# Altium PCB top_LM_v2.PcbDoc (part 3 of 5) (continued)
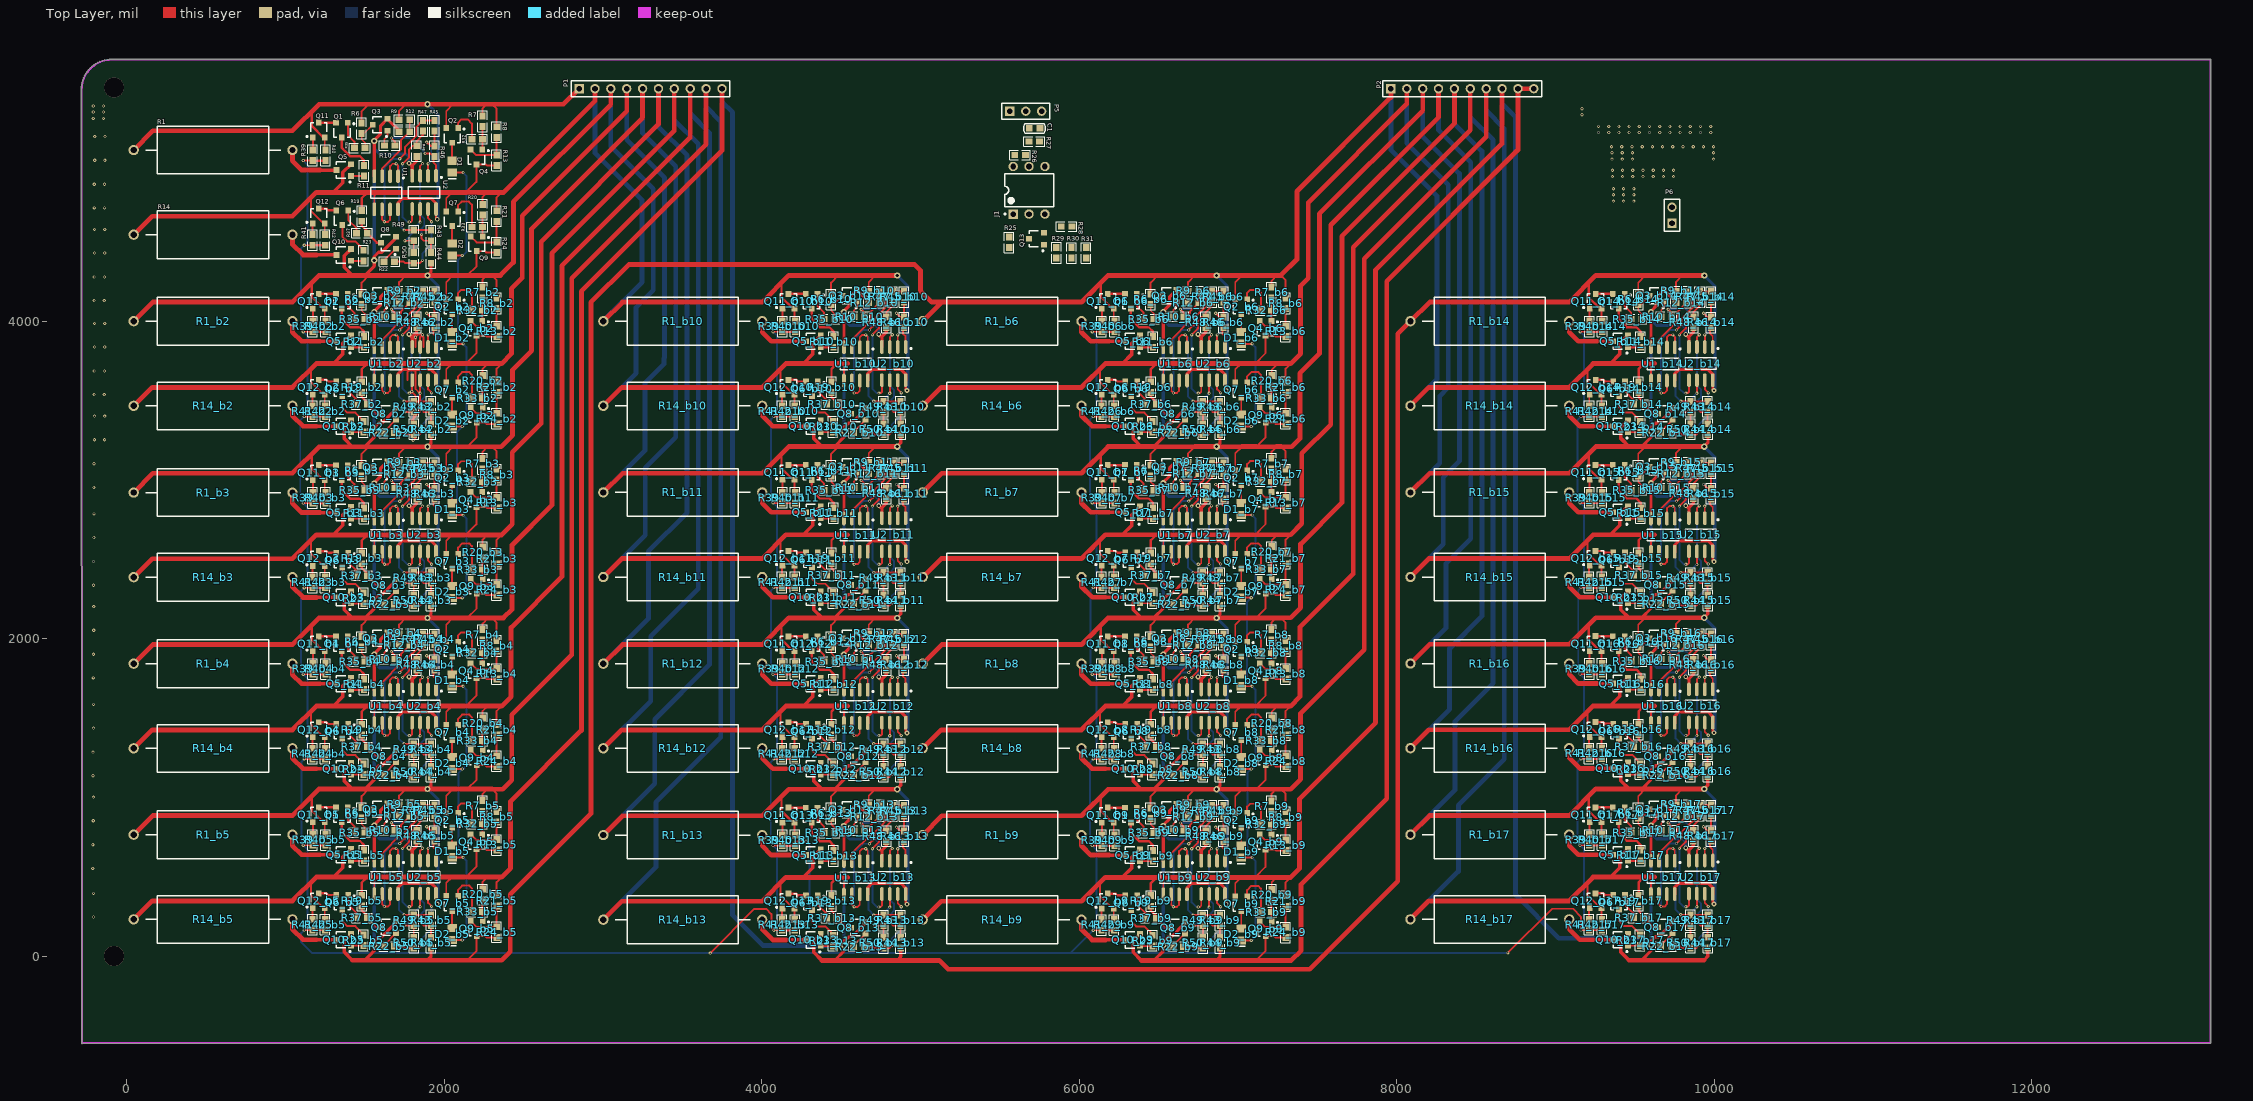
[diagram p0: Top Layer view]
## Nets (pads, with @x,y where several pads share a name; then routed paths per layer and width w, separated by ;. In a path a pad name is that pad's centre, name@x,y a point inside that pad or via, vN(x,y) a via of type N, cw(c..) or ccw(c..) an arc to the next point about the centre after c; other vN are vias at no path point) (continued)
  Top Layer w15: 6136.25,2079.79 6136.25,1993.82 Q11_b8.2@6208.07,1922 ; U2_b8.8@6918.25,1471.05 6918.25,1414.26 v3(6926.25,1406.26) ; R19_b16.2@9522.61,1462 9522.61,1541.54 9557.61,1576.54 9561.61,1576.54
  Top Layer w20: Q11_b8.2@6208.07,1922 Q11_b8.2@6217.65,1922 ; 6473.12,2134.07 6529.25,2190.2 v2(6529.25,2226.26) 6529.25,2251.26 6556.25,2278.26 6577.69,2278.26 6665.51,2366.08 Q8_b7.2@6665.51,2375.66 ; U1_b7.4@6529.25,2756.75 v2(6529.25,2978.26) 6529.25,2984.26 6569.25,3024.26 6569.25,3075.4 Q3_b7.2@6612.51,3118.66 6612.51,3115.91 6685.79,3042.64 R12_b7.1@6685.79,3037.26 ; U1_b8.8@6679.25,1468.77 6679.25,1511.26 6705.25,1537.26 6889.25,1537.26 6918.25,1508.26 U2_b8.8@6918.25,1471.05 ; v3(6748.25,2838.26) 6762.25,2824.26 6768.25,2824.26 ; U2_b7.4@6768.25,2759.02 6768.25,2824.26 ; R48_b7.2@6796.25,2881.8 6796.25,2852.26 6768.25,2824.26 ; v2@6863.25,2131.46 6887.25,2155.46 R44_b7.2@6887.25,2208.8
  Top Layer w22: Q10_b7.2@6383.38,2297.94 6340.12,2254.68 6340.12,2182.54 6391.19,2131.46 ; 9343.61,1576.54 9403.61,1636.54 9403.61,1703.68 Q5_b16.2@9454.87,1754.94
  Top Layer w30: R1_b8.2@5014.25,1842.26 5135.28,1963.28 6014.25,1963.28 6181.5,2130.54 6493.87,2130.54 6727.25,2130.54 v2(6865.12,2130.54) ; v2@6863.25,2131.46 7114.5,2131.46 ; 7025.25,2130.54 7239.07,2130.54 ; 7240,2130.54 7270.5,2130.54 ; 7240,2131.46 7331,2131.46 7394,2194.46 7394,2596 7654.34,2856.34 7654.34,4534.66 8363,5243.31 P2.5@8363,5464 ; R14_b16.2@8085.75,1310.26 8202.02,1426.54 9085.75,1426.54 9235.75,1576.54 9343.61,1576.54 9557.61,1576.54 ; 9561.61,1576.54 9622.75,1576.54
  Bottom Layer w20: v2(6529.25,2226.26) 6529.25,2931.26 ; v2(6529.25,2978.26) 6529.25,2931.26 ; v3(6748.25,2838.26) 6748.25,2877.26 6729.25,2896.26 6564.25,2896.26 6529.25,2931.26 ; v2(6865.12,2130.54) 6931.25,2064.4 6931.25,1411.26 v3(6926.25,1406.26)
  Bottom Layer w30: R14_b16.2@8085.75,1310.26 8332,1556.51 8332,1938.13 8535.87,2142 8535.87,5070.87 8363,5243.74 P2.5@8363,5464
IN_A8: P2.7 Q2_b9.2 Q3_b8.2 Q5_b17.2 Q8_b8.2 Q9_b8.3 Q10_b8.2 Q11_b9.2 Q12_b17.2 R1_b9.2 R6_b9.2 R7_b9.2 R8_b9.2 R9_b9.2 R12_b8.1 R14_b17.2 R19_b17.2 R24_b8.1 R25.1 R40_b9.1 R42_b17.1 R44_b8.2 R48_b8.2 U1_b8.4 U1_b9.8 U1_b17.5 U2_b8.4 U2_b9.8 | length 20125.9
  Top Layer w12: Q11_b9.2@6217.65,843 6217.65,768.32 R40_b9.1@6222.25,763.72 ; R6_b9.2@6449.12,934.46 6449.12,1006.79 6493.87,1051.54 ; R9_b9.2@6685.79,954.26 6685.79,1010.07 6727.25,1051.54 ; Q2_b9.2@6982.72,901.8 6982.72,1009 7025.25,1051.54 ; 7114.5,1052.46 7174.12,1112.08 Q9_b8.3@7174.12,1205.28 7226.86,1205.28 7236.06,1196.07 R24_b8.1@7300.12,1196.07 ; R7_b9.2@7211.25,978.46 7211.25,1023.72 7239.07,1051.54 7240,1052.46 ; 7270.5,1051.54 7300.12,1021.92 R8_b9.2@7300.12,910 R8_b9.2@7299.65,909.54 ; 9201.75,463.04 9201.75,383.26 9281.01,304 Q12_b17.2@9289.15,304 9289.15,235.32 R42_b17.1@9291.75,232.72 ; U1_b17.5@9600.75,391.77 9600.75,476.54 9622.75,498.54
  Top Layer w15: 6136.25,1000.79 6136.25,914.82 Q11_b9.2@6208.07,843 ; U2_b9.8@6918.25,392.05 6918.25,335.26 v3(6926.25,327.26) ; R19_b17.2@9522.61,384 9522.61,463.54 9557.61,498.54 9561.61,498.54
  Top Layer w20: Q11_b9.2@6208.07,843 Q11_b9.2@6217.65,843 ; 6473.12,1055.07 6529.25,1111.2 v2(6529.25,1147.26) 6529.25,1172.26 6556.25,1199.26 6577.69,1199.26 6665.51,1287.08 Q8_b8.2@6665.51,1296.66 ; U1_b8.4@6529.25,1677.75 v2(6529.25,1899.26) 6529.25,1905.26 6569.25,1945.26 6569.25,1996.4 Q3_b8.2@6612.51,2039.66 6612.51,2036.91 6685.79,1963.64 R12_b8.1@6685.79,1958.26 ; U1_b9.8@6679.25,389.77 6679.25,432.26 6705.25,458.26 6889.25,458.26 6918.25,429.26 U2_b9.8@6918.25,392.05 ; v3(6748.25,1759.26) 6762.25,1745.26 6768.25,1745.26 ; U2_b8.4@6768.25,1680.02 6768.25,1745.26 ; R48_b8.2@6796.25,1802.8 6796.25,1773.26 6768.25,1745.26 ; v2@6863.25,1052.46 6887.25,1076.46 R44_b8.2@6887.25,1129.8
  Top Layer w22: Q10_b8.2@6383.38,1218.94 6340.12,1175.68 6340.12,1103.54 6391.19,1052.46 ; 9343.61,498.54 9403.61,558.54 9403.61,625.68 Q5_b17.2@9454.87,676.94
  Top Layer w30: R1_b9.2@5014.25,763.26 5135.28,884.28 6014.25,884.28 6181.5,1051.54 6493.87,1051.54 6727.25,1051.54 v2(6865.12,1051.54) ; v2@6863.25,1052.46 7114.5,1052.46 ; 7025.25,1051.54 7239.07,1051.54 ; 7240,1051.54 7270.5,1051.54 ; 7240,1052.46 7331,1052.46 7394,1115.46 7394,1530 7795.76,1931.76 7795.76,4393.24 8563,5160.47 P2.7@8563,5464 ; R14_b17.2@8085.75,232.26 8202.02,348.54 9085.75,348.54 9235.75,498.54 9343.61,498.54 9557.61,498.54 ; 9561.61,498.54 9622.75,498.54
  Bottom Layer w20: v2(6529.25,1147.26) 6529.25,1852.26 ; v2(6529.25,1899.26) 6529.25,1852.26 ; v3(6748.25,1759.26) 6748.25,1798.26 6729.25,1817.26 6564.25,1817.26 6529.25,1852.26 ; v2(6865.12,1051.54) 6931.25,985.4 6931.25,332.26 v3(6926.25,327.26)
  Bottom Layer w30: R14_b17.2@8085.75,232.26 8388,534.51 8388,951 8677.29,1240.29 8677.29,5212.29 8563,5326.58 P2.7@8563,5464
IN_A9: P1.2 Q4.3 Q5.2 Q7.2 Q11_b10.2 Q12.2 R1_b10.2 R6_b10.2 R9_b10.2 R13.1 R14.2 R19.2 R20.2 R21.2 R40_b10.1 R42.1 U1.5 U1_b10.8 U2_b10.8 | length 10088.9
  Top Layer w12: 1161,4775.04 1161,4695.26 1240.26,4616 Q12.2@1248.4,4616 1248.4,4547.32 R42.1@1251,4544.72 ; U1.5@1560,4703.77 1560,4788.54 1582,4810.54 ; Q7.2@2013.46,4690.8 2013.46,4774.13 2049.87,4810.54 ; 2137.87,4810.54 2203.87,4876.54 Q4.3@2203.87,4987.28 2262.13,4987.28 2269.33,4980.07 R13.1@2330.87,4980.07 ; R20.2@2243,4735.46 2243,4783.54 2270,4810.54 ; R21.2@2330.87,4695 2330.87,4779.54 2349.93,4798.6 ; Q11_b10.2@4206.4,4079 4206.4,4004.32 R40_b10.1@4211,3999.72 ; R6_b10.2@4437.87,4170.46 4437.87,4242.79 4482.61,4287.54 ; R9_b10.2@4674.54,4190.26 4674.54,4246.07 4716,4287.54
  Top Layer w15: R19.2@1481.87,4696 1481.87,4775.54 1516.87,4810.54 1520.87,4810.54 ; 4125,4236.79 4125,4150.82 Q11_b10.2@4196.82,4079 ; U2_b10.8@4907,3628.05 4907,3571.26 v3(4915,3563.26)
  Top Layer w20: Q11_b10.2@4196.82,4079 Q11_b10.2@4206.4,4079 ; U1_b10.8@4668,3625.77 4668,3668.26 4694,3694.26 4878,3694.26 4907,3665.26 U2_b10.8@4907,3628.05
  Top Layer w22: 1302.87,4810.54 1362.87,4870.54 1362.87,4937.68 Q5.2@1414.13,4988.94
  Top Layer w30: R14.2@45,4544.26 161.28,4660.54 1045,4660.54 1195,4810.54 1302.87,4810.54 1516.87,4810.54 ; 1520.87,4810.54 1582,4810.54 2049.87,4810.54 2137.87,4810.54 2270,4810.54 2374.54,4810.54 2950,5386 P1.2@2950,5464 ; R1_b10.2@3003,3999.26 3124.02,4120.28 4003,4120.28 4170.25,4287.54 4482.61,4287.54 4716,4287.54 v2(4853.87,4287.54)
  Bottom Layer w20: v2(4853.87,4287.54) 4920,4221.4 4920,3568.26 v3(4915,3563.26)
  Bottom Layer w30: P1.2@2950,5464 2950,5059.05 3247.03,4762.03 3247.03,4245.28 R1_b10.2@3003,4001.26
IN_A10: P1.4 Q3_b10.2 Q4_b2.3 Q5_b2.2 Q7_b2.2 Q8_b10.2 Q10_b10.2 Q11_b11.2 Q12_b2.2 R1_b11.2 R6_b11.2 R9_b11.2 R12_b10.1 R13_b2.1 R14_b2.2 R19_b2.2 R20_b2.2 R21_b2.2 R40_b11.1 R42_b2.1 R44_b10.2 R48_b10.2 U1_b2.5 U1_b10.4 U1_b11.8 U2_b10.4 U2_b11.8 | length 15170.9
  Top Layer w12: 1161,3697.04 1161,3617.26 1240.26,3538 Q12_b2.2@1248.4,3538 1248.4,3469.32 R42_b2.1@1251,3466.72 ; U1_b2.5@1560,3625.77 1560,3710.54 1582,3732.54 ; Q7_b2.2@2013.46,3612.8 2013.46,3696.13 2049.87,3732.54 ; 2137.87,3732.54 2203.87,3798.54 Q4_b2.3@2203.87,3909.28 2262.13,3909.28 2269.33,3902.07 R13_b2.1@2330.87,3902.07 ; R20_b2.2@2243,3657.46 2243,3699.54 2276,3732.54 ; R21_b2.2@2330.87,3617 2330.87,3701.54 2361.87,3732.54 ; Q11_b11.2@4206.4,3001 4206.4,2926.32 R40_b11.1@4211,2921.72 ; R6_b11.2@4437.87,3092.46 4437.87,3164.79 4482.54,3209.46 4482.61,3209.54 ; R9_b11.2@4674.54,3112.26 4674.54,3168.07 4715.93,3209.46 4716,3209.54
  Top Layer w15: R19_b2.2@1481.87,3618 1481.87,3697.54 1516.87,3732.54 1520.87,3732.54 ; 4125,3158.79 4125,3072.82 Q11_b11.2@4196.82,3001 ; U2_b11.8@4907,2550.05 4907,2493.26 v3(4915,2485.26)
  Top Layer w20: Q11_b11.2@4196.82,3001 Q11_b11.2@4206.4,3001 ; 4461.87,3212.07 4518,3268.2 v2(4518,3304.26) 4518,3329.26 4545,3356.26 4566.44,3356.26 4654.26,3444.08 Q8_b10.2@4654.26,3453.66 ; 4481.87,3208.54 4482.8,3209.46 ; U1_b10.4@4518,3834.75 v2(4518,4056.26) 4518,4062.26 4558,4102.26 4558,4153.4 Q3_b10.2@4601.26,4196.66 4601.26,4193.91 4674.54,4120.64 R12_b10.1@4674.54,4115.26 ; U1_b11.8@4668,2547.77 4668,2590.26 4694,2616.26 4878,2616.26 4907,2587.26 U2_b11.8@4907,2550.05 ; v3(4737,3916.26) 4751,3902.26 4757,3902.26 ; U2_b10.4@4757,3837.02 4757,3902.26 ; R48_b10.2@4785,3959.8 4785,3930.26 4757,3902.26 ; v2@4852,3209.46 4852.07,3209.54 4876,3233.46 R44_b10.2@4876,3286.8
  Top Layer w22: 1302.87,3732.54 1362.87,3792.54 1362.87,3859.68 Q5_b2.2@1414.13,3910.94 ; Q10_b10.2@4372.13,3375.94 4328.87,3332.68 4328.87,3260.54 4379.87,3209.54 4379.94,3209.46
  Top Layer w30: R14_b2.2@45,3466.26 161.28,3582.54 1045,3582.54 1195,3732.54 1302.87,3732.54 1516.87,3732.54 ; 1520.87,3732.54 1582,3732.54 2049.87,3732.54 2137.87,3732.54 2276,3732.54 2361.87,3732.54 2424,3794.67 2424,4204 2492,4272 2492,4664.16 3150,5322.16 P1.4@3150,5464 ; R1_b11.2@3003,2921.26 3124.02,3042.28 4003,3042.28 4170.25,3209.54 4379.87,3209.54 4482.61,3209.54 4716,3209.54 4852.07,3209.54 v2(4853.87,3209.54) ; 4379.94,3209.46 4482.54,3209.46 4482.8,3209.46 4715.93,3209.46 v2@4852,3209.46
  Bottom Layer w20: v2(4518,3304.26) 4518,4009.26 ; v2(4518,4056.26) 4518,4009.26 ; v3(4737,3916.26) 4737,3955.26 4718,3974.26 4553,3974.26 4518,4009.26 ; v2(4853.87,3209.54) 4920,3143.4 4920,2490.26 v3(4915,2485.26)
  Bottom Layer w30: R1_b11.2@3003,2921.26 3265,3183.26 3265,3610 3384.45,3729.45 3384.45,3764.07 3386.45,3766.07 ; P1.4@3150,5464 3150,5141.89 3388.45,4903.45 3388.45,3771.07
IN_A11: P1.6 Q3_b11.2 Q4_b3.3 Q5_b3.2 Q7_b3.2 Q8_b11.2 Q10_b11.2 Q11_b12.2 Q12_b3.2 R1_b12.2 R6_b12.2 R9_b12.2 R12_b11.1 R13_b3.1 R14_b3.2 R19_b3.2 R20_b3.2 R21_b3.2 R40_b12.1 R42_b3.1 R44_b11.2 R48_b11.2 U1_b3.5 U1_b11.4 U1_b12.8 U2_b11.4 U2_b12.8 | length 17450.2
  Top Layer w12: 1161,2618.04 1161,2538.26 1240.26,2459 Q12_b3.2@1248.4,2459 1248.4,2390.32 R42_b3.1@1251,2387.72 ; U1_b3.5@1560,2546.77 1560,2631.54 1582,2653.54 ; Q7_b3.2@2013.46,2533.8 2013.46,2617.13 2049.87,2653.54 ; 2137.87,2653.54 2203.87,2719.54 Q4_b3.3@2203.87,2830.28 2262.13,2830.28 2269.33,2823.07 R13_b3.1@2330.87,2823.07 ; R20_b3.2@2243,2578.46 2243,2624.54 2272,2653.54 ; R21_b3.2@2330.87,2538 2330.87,2622.54 2361.87,2653.54 ; Q11_b12.2@4206.4,1922 4206.4,1847.32 R40_b12.1@4211,1842.72 ; R6_b12.2@4437.87,2013.46 4437.87,2085.79 4482.61,2130.54 ; R9_b12.2@4674.54,2033.26 4674.54,2089.07 4716,2130.54
  Top Layer w15: R19_b3.2@1481.87,2539 1481.87,2618.54 1516.87,2653.54 1520.87,2653.54 ; 4125,2079.79 4125,1993.82 Q11_b12.2@4196.82,1922 ; U2_b12.8@4907,1471.05 4907,1414.26 v3(4915,1406.26)
  Top Layer w20: Q11_b12.2@4196.82,1922 Q11_b12.2@4206.4,1922 ; 4461.87,2134.07 4518,2190.2 v2(4518,2226.26) 4518,2251.26 4545,2278.26 4566.44,2278.26 4654.26,2366.08 Q8_b11.2@4654.26,2375.66 ; 4481.87,2130.54 4482.8,2131.46 ; U1_b11.4@4518,2756.75 v2(4518,2978.26) 4518,2984.26 4558,3024.26 4558,3075.4 Q3_b11.2@4601.26,3118.66 4601.26,3115.91 4674.54,3042.64 R12_b11.1@4674.54,3037.26 ; U1_b12.8@4668,1468.77 4668,1511.26 4694,1537.26 4878,1537.26 4907,1508.26 U2_b12.8@4907,1471.05 ; v3(4737,2838.26) 4751,2824.26 4757,2824.26 ; U2_b11.4@4757,2759.02 4757,2824.26 ; R48_b11.2@4785,2881.8 4785,2852.26 4757,2824.26 ; v2@4852,2131.46 4876,2155.46 R44_b11.2@4876,2208.8
  Top Layer w22: 1302.87,2653.54 1362.87,2713.54 1362.87,2780.68 Q5_b3.2@1414.13,2831.94 ; Q10_b11.2@4372.13,2297.94 4328.87,2254.68 4328.87,2182.54 4379.94,2131.46
  Top Layer w30: R14_b3.2@45,2387.26 161.28,2503.54 1045,2503.54 1195,2653.54 1302.87,2653.54 1516.87,2653.54 ; 1520.87,2653.54 1582,2653.54 2049.87,2653.54 2137.87,2653.54 2272,2653.54 2361.87,2653.54 2429,2720.67 2429,3173 2612,3356 2612,4501.31 3350,5239.31 P1.6@3350,5464 ; R1_b12.2@3003,1842.26 3124.02,1963.28 4003,1963.28 4170.25,2130.54 4481.87,2130.54 4482.61,2130.54 4716,2130.54 v2(4853.87,2130.54) ; 4379.94,2131.46 4482.8,2131.46 v2@4852,2131.46
  Bottom Layer w20: v2(4518,2226.26) 4518,2931.26 ; v2(4518,2978.26) 4518,2931.26 ; v3(4737,2838.26) 4737,2877.26 4718,2896.26 4553,2896.26 4518,2931.26 ; v2(4853.87,2130.54) 4920,2064.4 4920,1411.26 v3(4915,1406.26)
  Bottom Layer w30: R1_b12.2@3003,1842.26 3286.5,2125.76 3286.5,2549.5 3529.87,2792.87 3529.87,5044.87 3350,5224.74 P1.6@3350,5464
IN_A12: P1.8 Q3_b12.2 Q4_b4.3 Q5_b4.2 Q7_b4.2 Q8_b12.2 Q10_b12.2 Q11_b13.2 Q12_b4.2 R1_b13.2 R6_b13.2 R9_b13.2 R12_b12.1 R13_b4.1 R14_b4.2 R19_b4.2 R20_b4.2 R21_b4.2 R40_b13.1 R42_b4.1 R44_b12.2 R48_b12.2 U1_b4.5 U1_b12.4 U1_b13.8 U2_b12.4 U2_b13.8 | length 19725.2
  Top Layer w12: 1161,1540.04 1161,1460.26 1240.26,1381 Q12_b4.2@1248.4,1381 1248.4,1312.32 R42_b4.1@1251,1309.72 ; U1_b4.5@1560,1468.77 1560,1553.54 1582,1575.54 ; Q7_b4.2@2013.46,1455.8 2013.46,1539.13 2049.87,1575.54 ; 2137.87,1575.54 2203.87,1641.54 Q4_b4.3@2203.87,1752.28 2262.13,1752.28 2269.33,1745.07 R13_b4.1@2330.87,1745.07 ; R20_b4.2@2243,1500.46 2243,1544.54 2274,1575.54 ; R21_b4.2@2330.87,1460 2330.87,1544.54 2361.87,1575.54 ; Q11_b13.2@4206.4,843 4206.4,768.32 R40_b13.1@4211,763.72 ; R6_b13.2@4437.87,934.46 4437.87,1006.79 4482.61,1051.54 ; R9_b13.2@4674.54,954.26 4674.54,1010.07 4716,1051.54
  Top Layer w15: R19_b4.2@1481.87,1461 1481.87,1540.54 1516.87,1575.54 1520.87,1575.54 ; 4125,1000.79 4125,914.82 Q11_b13.2@4196.82,843 ; U2_b13.8@4907,392.05 4907,335.26 v3(4915,327.26)
  Top Layer w20: Q11_b13.2@4196.82,843 Q11_b13.2@4206.4,843 ; 4461.87,1055.07 4518,1111.2 v2(4518,1147.26) 4518,1172.26 4545,1199.26 4566.44,1199.26 4654.26,1287.08 Q8_b12.2@4654.26,1296.66 ; 4481.87,1051.54 4482.8,1052.46 ; U1_b12.4@4518,1677.75 v2(4518,1899.26) 4518,1905.26 4558,1945.26 4558,1996.4 Q3_b12.2@4601.26,2039.66 4601.26,2036.91 4674.54,1963.64 R12_b12.1@4674.54,1958.26 ; U1_b13.8@4668,389.77 4668,432.26 4694,458.26 4878,458.26 4907,429.26 U2_b13.8@4907,392.05 ; v3(4737,1759.26) 4751,1745.26 4757,1745.26 ; U2_b12.4@4757,1680.02 4757,1745.26 ; R48_b12.2@4785,1802.8 4785,1773.26 4757,1745.26 ; v2@4852,1052.46 4876,1076.46 R44_b12.2@4876,1129.8
  Top Layer w22: 1302.87,1575.54 1362.87,1635.54 1362.87,1702.68 Q5_b4.2@1414.13,1753.94 ; Q10_b12.2@4372.13,1218.94 4328.87,1175.68 4328.87,1103.54 4379.94,1052.46
  Top Layer w30: R14_b4.2@45,1309.26 161.28,1425.54 1045,1425.54 1195,1575.54 1302.87,1575.54 1516.87,1575.54 ; 1520.87,1575.54 1582,1575.54 2049.87,1575.54 2137.87,1575.54 2274,1575.54 2361.87,1575.54 2422,1635.67 2422,2070 2742,2390 2742,4348.47 3550,5156.47 P1.8@3550,5464 ; R1_b13.2@3003,763.26 3124.02,884.28 4003,884.28 4170.25,1051.54 4481.87,1051.54 4482.61,1051.54 4716,1051.54 v2(4853.87,1051.54) ; 4379.94,1052.46 4482.8,1052.46 v2@4852,1052.46
  Bottom Layer w20: v2(4518,1147.26) 4518,1852.26 ; v2(4518,1899.26) 4518,1852.26 ; v3(4737,1759.26) 4737,1798.26 4718,1817.26 4553,1817.26 4518,1852.26 ; v2(4853.87,1051.54) 4920,985.4 4920,332.26 v3(4915,327.26)
  Bottom Layer w30: R1_b13.2@3003,763.26 3326,1086.26 3326,1491 3671.29,1836.29 3671.29,5186.29 3550,5307.58 P1.8@3550,5464
IN_A13: P1.10 Q3_b13.2 Q4_b5.3 Q5_b5.2 Q7_b5.2 Q8_b13.2 Q10_b13.2 Q11_b14.2 Q12_b5.2 R1_b14.2 R6_b14.2 R9_b14.2 R12_b13.1 R13_b5.1 R14_b5.2 R19_b5.2 R20_b5.2 R21_b5.2 R40_b14.1 R42_b5.1 R44_b13.2 R48_b13.2 U1_b5.5 U1_b13.4 U1_b14.8 U2_b13.4 U2_b14.8 | length 28835.8
  Top Layer w12: 1161,463.04 1161,383.26 1240.26,304 Q12_b5.2@1248.4,304 1248.4,235.32 R42_b5.1@1251,232.72 ; U1_b5.5@1560,391.77 1560,476.54 1582,498.54 ; Q7_b5.2@2013.46,378.8 2013.46,462.13 2049.87,498.54 ; 2137.87,498.54 2203.87,564.54 Q4_b5.3@2203.87,675.28 2262.13,675.28 2269.33,668.07 R13_b5.1@2330.87,668.07 ; R20_b5.2@2243,423.46 2243,468.54 2273,498.54 ; R21_b5.2@2330.87,383 2330.87,467.54 2361.87,498.54 ; Q11_b14.2@9289.4,4079 9289.4,4004.32 R40_b14.1@9294,3999.72 ; R6_b14.2@9520.87,4170.46 9520.87,4242.79 9565.61,4287.54 ; R9_b14.2@9757.54,4190.26 9757.54,4246.07 9799,4287.54
  Top Layer w15: R19_b5.2@1481.87,384 1481.87,463.54 1516.87,498.54 1520.87,498.54 ; 9208,4236.79 9208,4150.82 Q11_b14.2@9279.82,4079 ; U2_b14.8@9990,3628.05 9990,3571.26 v3(9998,3563.26)
  Top Layer w20: 4461.87,-23.93 4518,32.2 v2(4518,68.26) 4518,93.26 4545,120.26 4566.44,120.26 4654.26,208.08 Q8_b13.2@4654.26,217.66 ; 4481.87,-27.46 4482.8,-26.54 ; U1_b13.4@4518,598.75 v2(4518,820.26) 4518,826.26 4558,866.26 4558,917.4 Q3_b13.2@4601.26,960.66 4601.26,957.91 4674.54,884.64 R12_b13.1@4674.54,879.26 ; v3(4737,680.26) 4751,666.26 4757,666.26 ; U2_b13.4@4757,601.02 4757,666.26 ; R48_b13.2@4785,723.8 4785,694.26 4757,666.26 ; 4852,-26.54 4876,-2.54 R44_b13.2@4876,50.8 ; Q11_b14.2@9279.82,4079 Q11_b14.2@9289.4,4079 ; U1_b14.8@9751,3625.77 9751,3668.26 9777,3694.26 9961,3694.26 9990,3665.26 U2_b14.8@9990,3628.05
  Top Layer w22: 1302.87,498.54 1362.87,558.54 1362.87,625.68 Q5_b5.2@1414.13,676.94 ; Q10_b13.2@4372.13,139.94 4328.87,96.68 4328.87,24.54 4379.94,-26.54
  Top Layer w30: R14_b5.2@45,232.26 161.28,348.54 1045,348.54 1195,498.54 1302.87,498.54 1516.87,498.54 ; 1520.87,498.54 1582,498.54 2049.87,498.54 2137.87,498.54 2273,498.54 2361.87,498.54 2419,555.67 2419,976 2865,1422 2865,4188.63 3750,5073.63 P1.10@3750,5464 ; 4379.94,-26.54 4482.8,-26.54 4852,-26.54 5118.54,-26.54 5174,-82 7451,-82 8006,473 8006,3919.26 R1_b14.2@8086,3999.26 8207.02,4120.28 9086,4120.28 9253.25,4287.54 9565.61,4287.54 9799,4287.54 v2(9936.87,4287.54)
  Bottom Layer w20: v2(4518,68.26) 4518,773.26 ; v2(4518,820.26) 4518,773.26 ; v3(4737,680.26) 4737,719.26 4718,738.26 4553,738.26 4518,773.26 ; v2(9936.87,4287.54) 10003,4221.4 10003,3568.26 v3(9998,3563.26)
  Bottom Layer w30: P1.10@3750,5464 3750,5381 3817,5314 3817,259 4007.74,68.26 v2(4518,68.26)
IN_A14: P2.2 Q3_b14.2 Q4_b6.3 Q5_b6.2 Q7_b6.2 Q8_b14.2 Q10_b14.2 Q11_b15.2 Q12_b6.2 R1_b15.2 R6_b15.2 R9_b15.2 R12_b14.1 R13_b6.1 R14_b6.2 R19_b6.2 R20_b6.2 R21_b6.2 R40_b15.1 R42_b6.1 R44_b14.2 R48_b14.2 U1_b6.5 U1_b14.4 U1_b15.8 U2_b14.4 U2_b15.8 | length 15103.5
  Top Layer w12: 6130.25,3697.04 6130.25,3617.26 6209.51,3538 Q12_b6.2@6217.65,3538 6217.65,3469.32 R42_b6.1@6220.25,3466.72 ; U1_b6.5@6529.25,3625.77 6529.25,3710.54 6551.25,3732.54 ; Q7_b6.2@6982.72,3612.8 6982.72,3696.13 7019.12,3732.54 ; 7107.12,3732.54 7173.12,3798.54 Q4_b6.3@7173.12,3909.28 7231.38,3909.28 7238.58,3902.07 R13_b6.1@7300.12,3902.07 ; R20_b6.2@7212.25,3657.46 7212.25,3694.79 7250,3732.54 ; R21_b6.2@7300.12,3617 7300.12,3701.54 7331.12,3732.54 ; Q11_b15.2@9289.15,3001 9289.15,2926.32 R40_b15.1@9293.75,2921.72 ; R6_b15.2@9520.61,3092.46 9520.61,3164.79 9565.29,3209.46 9565.36,3209.54 ; R9_b15.2@9757.28,3112.26 9757.28,3168.07 9798.68,3209.46 9798.75,3209.54
  Top Layer w15: R19_b6.2@6451.12,3618 6451.12,3697.54 6486.12,3732.54 6490.12,3732.54 ; 9207.75,3158.79 9207.75,3072.82 Q11_b15.2@9279.57,3001 ; U2_b15.8@9989.75,2550.05 9989.75,2493.26 v3(9997.75,2485.26)
  Top Layer w20: Q11_b15.2@9279.57,3001 Q11_b15.2@9289.15,3001 ; 9544.87,3212.07 9601,3268.2 v2(9601,3304.26) 9601,3329.26 9628,3356.26 9649.44,3356.26 9737.26,3444.08 Q8_b14.2@9737.26,3453.66 ; 9564.87,3208.54 9565.8,3209.46 ; U1_b14.4@9601,3834.75 v2(9601,4056.26) 9601,4062.26 9641,4102.26 9641,4153.4 Q3_b14.2@9684.26,4196.66 9684.26,4193.91 9757.54,4120.64 R12_b14.1@9757.54,4115.26 ; U1_b15.8@9750.75,2547.77 9750.75,2590.26 9776.75,2616.26 9960.75,2616.26 9989.75,2587.26 U2_b15.8@9989.75,2550.05 ; v3(9820,3916.26) 9834,3902.26 9840,3902.26 ; U2_b14.4@9840,3837.02 9840,3902.26 ; R48_b14.2@9868,3959.8 9868,3930.26 9840,3902.26 ; v2@9935,3209.46 9935.07,3209.54 9959,3233.46 R44_b14.2@9959,3286.8
  Top Layer w22: 6272.12,3732.54 6332.12,3792.54 6332.12,3859.68 Q5_b6.2@6383.38,3910.94 ; Q10_b14.2@9455.13,3375.94 9411.87,3332.68 9411.87,3260.54 9462.87,3209.54 9462.94,3209.46
  Top Layer w30: R14_b6.2@5014.25,3466.26 5130.53,3582.54 6014.25,3582.54 6164.25,3732.54 6272.12,3732.54 6486.12,3732.54 ; 6490.12,3732.54 6551.25,3732.54 7019.12,3732.54 7107.12,3732.54 7250,3732.54 7331.12,3732.54 7394,3795.42 7394,4222 7442.21,4270.21 7442.21,4746.79 8063,5367.58 P2.2@8063,5464 ; R1_b15.2@8085.75,2921.26 8206.77,3042.28 9085.75,3042.28 9253,3209.54 9462.87,3209.54 9565.36,3209.54 9798.75,3209.54 9935.07,3209.54 v2(9936.61,3209.54) ; 9462.94,3209.46 9565.29,3209.46 9565.8,3209.46 9798.68,3209.46 v2@9935,3209.46
  Bottom Layer w20: v2(9601,3304.26) 9601,4009.26 ; v2(9601,4056.26) 9601,4009.26 ; v3(9820,3916.26) 9820,3955.26 9801,3974.26 9636,3974.26 9601,4009.26 ; v2(9936.61,3209.54) 10002.75,3143.4 10002.75,2490.26 v3(9997.75,2485.26)
  Bottom Layer w30: P2.2@8063,5464 8063,5119.47 8323.74,4858.74 8323.74,3582 8270,3528.26 8270,3105.51 R1_b15.2@8085.75,2921.26
IN_A15: P2.4 Q3_b15.2 Q4_b7.3 Q5_b7.2 Q7_b7.2 Q8_b15.2 Q10_b15.2 Q11_b16.2 Q12_b7.2 R1_b16.2 R6_b16.2 R9_b16.2 R12_b15.1 R13_b7.1 R14_b7.2 R19_b7.2 R20_b7.2 R21_b7.2 R40_b16.1 R42_b7.1 R44_b15.2 R48_b15.2 U1_b7.5 U1_b15.4 U1_b16.8 U2_b15.4 U2_b16.8 | length 17375
  Top Layer w12: 6130.25,2619.04 6130.25,2539.26 6209.51,2460 Q12_b7.2@6217.65,2460 6217.65,2391.32 R42_b7.1@6220.25,2388.72 ; U1_b7.5@6529.25,2547.77 6529.25,2632.54 6551.25,2654.54 ; Q7_b7.2@6982.72,2534.8 6982.72,2618.13 7019.12,2654.54 ; 7107.12,2654.54 7173.12,2720.54 Q4_b7.3@7173.12,2831.28 7231.38,2831.28 7238.58,2824.07 R13_b7.1@7300.12,2824.07 ; R20_b7.2@7212.25,2579.46 7212.25,2620.79 7246,2654.54 ; R21_b7.2@7300.12,2539 7300.12,2623.54 7331.12,2654.54 ; Q11_b16.2@9289.15,1923 9289.15,1848.32 R40_b16.1@9293.75,1843.72 ; R6_b16.2@9520.61,2014.46 9520.61,2086.79 9565.29,2131.46 9565.36,2131.54 ; R9_b16.2@9757.28,2034.26 9757.28,2090.07 9798.68,2131.46 9798.75,2131.54
  Top Layer w15: R19_b7.2@6451.12,2540 6451.12,2619.54 6486.12,2654.54 6490.12,2654.54 ; 9207.75,2080.79 9207.75,1994.82 Q11_b16.2@9279.57,1923 ; U2_b16.8@9989.75,1472.05 9989.75,1415.26 v3(9997.75,1407.26)
  Top Layer w20: Q11_b16.2@9279.57,1923 Q11_b16.2@9289.15,1923 ; 9544.61,2134.07 9600.75,2190.2 v2(9600.75,2226.26) 9600.75,2251.26 9627.75,2278.26 9649.19,2278.26 9737.01,2366.08 Q8_b15.2@9737.01,2375.66 ; 9564.61,2130.54 9565.54,2131.46 ; U1_b15.4@9600.75,2756.75 v2(9600.75,2978.26) 9600.75,2984.26 9640.75,3024.26 9640.75,3075.4 Q3_b15.2@9684.01,3118.66 9684.01,3115.91 9757.28,3042.64 R12_b15.1@9757.28,3037.26 ; U1_b16.8@9750.75,1469.77 9750.75,1512.26 9776.75,1538.26 9960.75,1538.26 9989.75,1509.26 U2_b16.8@9989.75,1472.05 ; v3(9819.75,2838.26) 9833.75,2824.26 9839.75,2824.26 ; U2_b15.4@9839.75,2759.02 9839.75,2824.26 ; R48_b15.2@9867.75,2881.8 9867.75,2852.26 9839.75,2824.26 ; v2@9934.75,2131.46 9934.82,2131.54 9958.75,2155.46 R44_b15.2@9958.75,2208.8
  Top Layer w22: 6272.12,2654.54 6332.12,2714.54 6332.12,2781.68 Q5_b7.2@6383.38,2832.94 ; Q10_b15.2@9454.87,2297.94 9411.61,2254.68 9411.61,2182.54 9462.61,2131.54 9462.69,2131.46
  Top Layer w30: R14_b7.2@5014.25,2388.26 5130.53,2504.54 6014.25,2504.54 6164.25,2654.54 6272.12,2654.54 6486.12,2654.54 ; 6490.12,2654.54 6551.25,2654.54 7019.12,2654.54 7107.12,2654.54 7246,2654.54 7331.12,2654.54 7402,2725.42 7402,3167 7583.63,3348.63 7583.63,4605.37 8263,5284.74 P2.4@8263,5464 ; R1_b16.2@8085.75,1843.26 8206.77,1964.28 9085.75,1964.28 9253,2131.54 9462.61,2131.54 9565.36,2131.54 9798.75,2131.54 9934.82,2131.54 v2(9936.61,2131.54) ; 9462.69,2131.46 9565.29,2131.46 9565.54,2131.46 9798.68,2131.46 v2@9934.75,2131.46
  Bottom Layer w20: v2(9600.75,2226.26) 9600.75,2931.26 ; v2(9600.75,2978.26) 9600.75,2931.26 ; v3(9819.75,2838.26) 9819.75,2877.26 9800.75,2896.26 9635.75,2896.26 9600.75,2931.26 ; v2(9936.61,2131.54) 10002.75,2065.4 10002.75,1412.26 v3(9997.75,1407.26)
  Bottom Layer w30: R1_b16.2@8085.75,1843.26 8310,2067.51 8310,2473.84 8465.16,2629 8465.16,5000.16 8263,5202.31 P2.4@8263,5464
IN_A16: P2.6 Q3_b16.2 Q4_b8.3 Q5_b8.2 Q7_b8.2 Q8_b16.2 Q10_b16.2 Q11_b17.2 Q12_b8.2 R1_b17.2 R6_b17.2 R9_b17.2 R12_b16.1 R13_b8.1 R14_b8.2 R19_b8.2 R20_b8.2 R21_b8.2 R40_b17.1 R42_b8.1 R44_b16.2 R48_b16.2 U1_b8.5 U1_b16.4 U1_b17.8 U2_b16.4 U2_b17.8 | length 19649.6
  Top Layer w12: 6130.25,1540.04 6130.25,1460.26 6209.51,1381 Q12_b8.2@6217.65,1381 6217.65,1312.32 R42_b8.1@6220.25,1309.72 ; U1_b8.5@6529.25,1468.77 6529.25,1553.54 6551.25,1575.54 ; Q7_b8.2@6982.72,1455.8 6982.72,1539.13 7019.12,1575.54 ; 7107.12,1575.54 7173.12,1641.54 Q4_b8.3@7173.12,1752.28 7231.38,1752.28 7238.58,1745.07 R13_b8.1@7300.12,1745.07 ; R20_b8.2@7212.25,1500.46 7212.25,1540.79 7247,1575.54 ; R21_b8.2@7300.12,1460 7300.12,1544.54 7331.12,1575.54 ; Q11_b17.2@9289.15,845 9289.15,770.32 R40_b17.1@9293.75,765.72 ; R6_b17.2@9520.61,936.46 9520.61,1008.79 9565.29,1053.46 9565.36,1053.54 ; R9_b17.2@9757.28,956.26 9757.28,1012.07 9798.68,1053.46 9798.75,1053.54
  Top Layer w15: R19_b8.2@6451.12,1461 6451.12,1540.54 6486.12,1575.54 6490.12,1575.54 ; 9207.75,1002.79 9207.75,916.82 Q11_b17.2@9279.57,845 ; U2_b17.8@9989.75,394.05 9989.75,337.26 v3(9997.75,329.26)
  Top Layer w20: Q11_b17.2@9279.57,845 Q11_b17.2@9289.15,845 ; 9544.61,1056.07 9600.75,1112.2 v2(9600.75,1148.26) 9600.75,1173.26 9627.75,1200.26 9649.19,1200.26 9737.01,1288.08 Q8_b16.2@9737.01,1297.66 ; 9564.61,1052.54 9565.54,1053.46 ; U1_b16.4@9600.75,1678.75 v2(9600.75,1900.26) 9600.75,1906.26 9640.75,1946.26 9640.75,1997.4 Q3_b16.2@9684.01,2040.66 9684.01,2037.91 9757.28,1964.64 R12_b16.1@9757.28,1959.26 ; U1_b17.8@9750.75,391.77 9750.75,434.26 9776.75,460.26 9960.75,460.26 9989.75,431.26 U2_b17.8@9989.75,394.05 ; v3(9819.75,1760.26) 9833.75,1746.26 9839.75,1746.26 ; U2_b16.4@9839.75,1681.02 9839.75,1746.26 ; R48_b16.2@9867.75,1803.8 9867.75,1774.26 9839.75,1746.26 ; v2@9934.75,1053.46 9934.82,1053.54 9958.75,1077.46 R44_b16.2@9958.75,1130.8
  Top Layer w22: 6272.12,1575.54 6332.12,1635.54 6332.12,1702.68 Q5_b8.2@6383.38,1753.94 ; Q10_b16.2@9454.87,1219.94 9411.61,1176.68 9411.61,1104.54 9462.61,1053.54 9462.69,1053.46
  Top Layer w30: R14_b8.2@5014.25,1309.26 5130.53,1425.54 6014.25,1425.54 6164.25,1575.54 6272.12,1575.54 6486.12,1575.54 ; 6490.12,1575.54 6551.25,1575.54 7019.12,1575.54 7107.12,1575.54 7247,1575.54 7331.12,1575.54 7390,1634.42 7390,2073 7725.05,2408.05 7725.05,4463.95 8463,5201.89 P2.6@8463,5464 ; R1_b17.2@8085.75,765.26 8206.77,886.28 9085.75,886.28 9253,1053.54 9462.61,1053.54 9565.36,1053.54 9798.75,1053.54 9934.82,1053.54 v2(9936.61,1053.54) ; 9462.69,1053.46 9565.29,1053.46 9565.54,1053.46 9798.68,1053.46 v2@9934.75,1053.46
  Bottom Layer w20: v2(9600.75,1148.26) 9600.75,1853.26 ; v2(9600.75,1900.26) 9600.75,1853.26 ; v3(9819.75,1760.26) 9819.75,1799.26 9800.75,1818.26 9635.75,1818.26 9600.75,1853.26 ; v2(9936.61,1053.54) 10002.75,987.4 10002.75,334.26 v3(9997.75,329.26)
  Bottom Layer w30: R1_b17.2@8085.75,765.26 8366,1045.51 8366,1478 8606.58,1718.58 8606.58,5141.58 8463,5285.16 P2.6@8463,5464